# Allegro board FMDEMOD-Long.brd (continued)
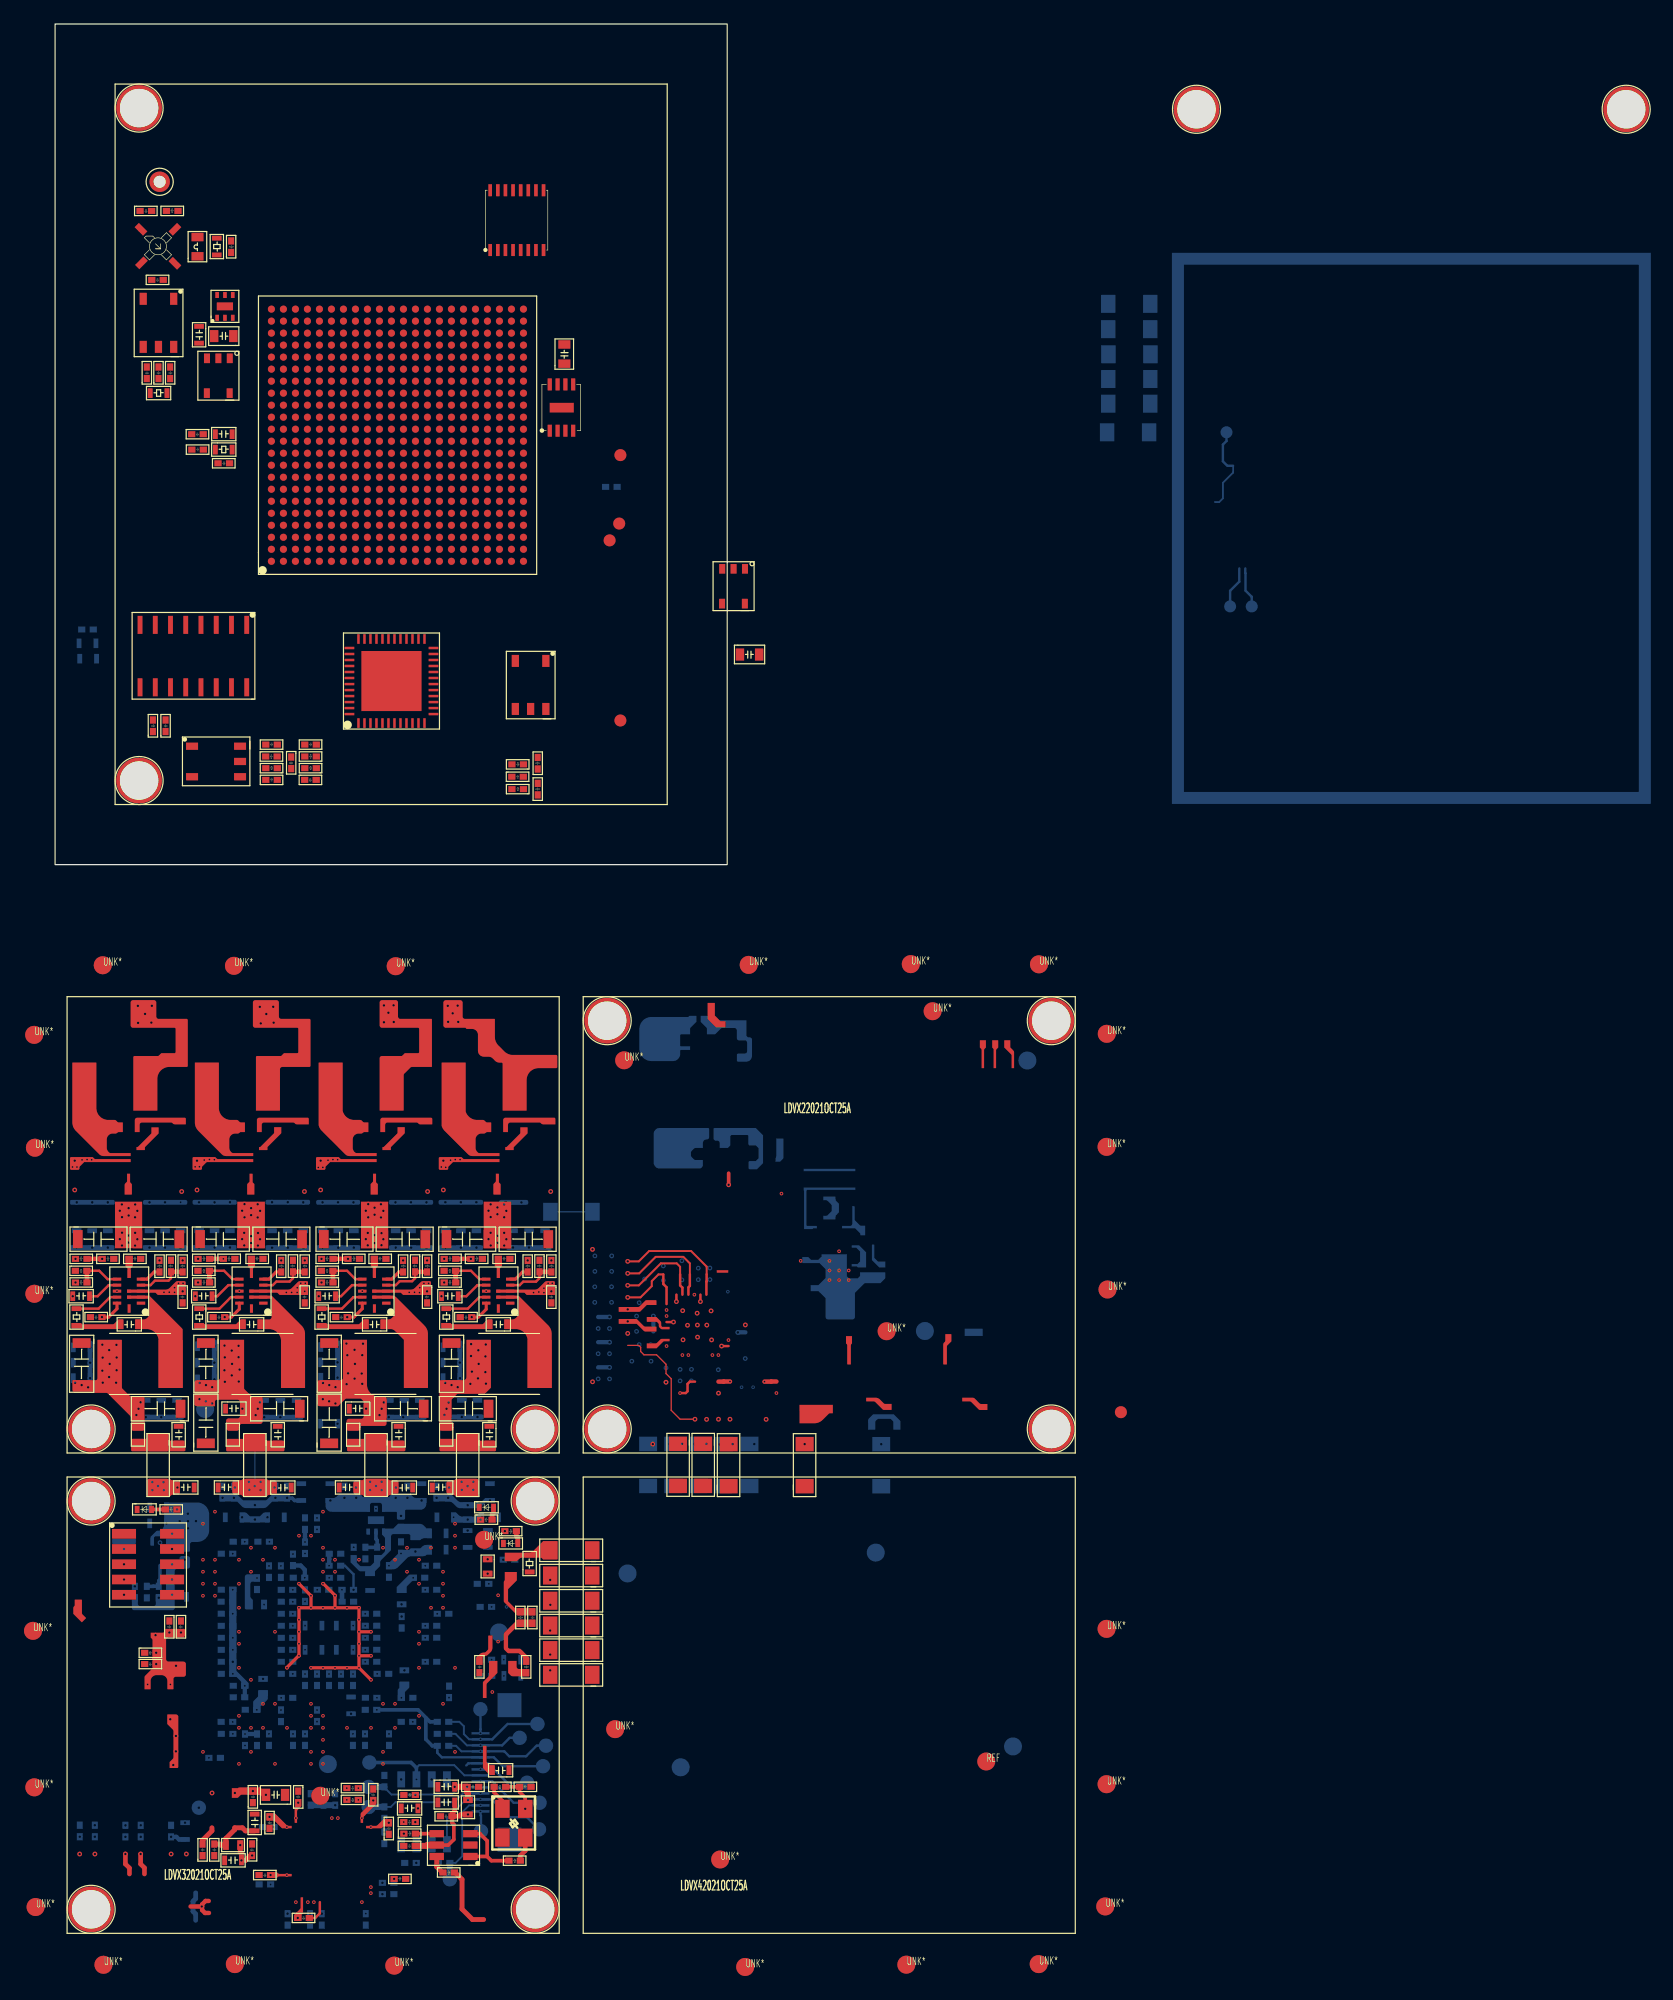
[diagram p0: board, top side]
## Nets (continued)
N7578935: A1.3(\OUT\) C149.2 L19.1
N7579108: L19.2 R148.1
N7579398: C149.1 T2.1
N7579484: C172.2 T2.4
N7579488: C171.2 T2.3
N7579492: C173.2 T2.5
N7579615: C173.1 R162.2 U30.4
N7579629: C171.1 R162.1 U30.5
N7580116: C175.1 R161.1 U30.2 U30.8
N7580344: R367.2 U30.9
N7580738: C605.2 U30.10
N7580852: C604.1 R364.1 U30.15(\VPS2\)
N7581076: C216.2 R365.1 U30.13
N7581083: C215.2 R366.1 U30.12
N7581207: C216.1 T4.1
N7581229: C215.1 T4.2
N7581273: C219.2 T4.5
N7581277: C243.2 T4.3
N7581373: C222.2 C243.1 C244.1 R195.1 R196.2
N7581387: C219.1 C220.2 C222.1 R193.2 R194.2
N7586253: R166.1 Y4.1
N7586496: R185.2 Y4.3
N7586806: R185.1 U32.1 U32.3
N7587007: R177.1 U32.4
N7587454: R188.1 U32.6
N7587591: R188.2 T3.1
N7587990: C221.2 R191.2 R198.1 T3.4
N7588005: R197.1 R198.2 T3.5
N7588017: R191.1 R192.1 T3.3
N7598294: C164.2 U23.4
N7921484: D12.2 R133.2
N8196940: R58.2 R59.1 U11.4
N8196944: R49.1 R50.2 U11.9
N8196950: C84.2 R57.2 U11.11
N8196956: R57.1 U11.5
N8196998: C69.2 U11.6
N8197004: R86.1 U11.10
N8197008: C88.1 L7.1 U11.2 U11.13
N8197018: C88.2 R86.2
N8197022: C75.2 U11.8
N8197032: R69.2 R75.1 U11.7
N8197074: R87.1 U12.10
N8197078: C89.2 R87.2
N8197098: C89.1 L8.1 U12.2 U12.13
N8197146: R61.2 R62.1 U12.4
N8197148: R51.1 R52.2 U12.9
N8197154: C76.2 U12.8
N8197166: R70.2 R76.1 U12.7
N8197176: C85.2 R60.2 U12.11
N8197182: C70.2 U12.6
N8197194: R60.1 U12.5
N8197218: R88.1 U13.10
N8197222: C90.2 R88.2
N8197242: C90.1 L9.1 U13.2 U13.13
N8197290: R64.2 R65.1 U13.4
N8197292: R53.1 R54.2 U13.9
N8197298: C77.2 U13.8
N8197310: R71.2 R77.1 U13.7
N8197320: C86.2 R63.2 U13.11
N8197326: C71.2 U13.6
N8197338: R63.1 U13.5
N8197362: R89.1 U14.10
N8197366: C91.2 R89.2
N8197386: C91.1 L10.1 U14.2 U14.13
N8197434: R67.2 R68.1 U14.4
N8197436: R55.1 R56.2 U14.9
N8197442: C78.2 U14.8
N8197454: R72.2 R78.1 U14.7
N8197464: C87.2 R66.2 U14.11
N8197470: C72.2 U14.6
N8197482: R66.1 U14.5
N8200614: C126.2 L13.2 R129.1
N8200858: C127.2 L14.2 R130.1
N8201027: C128.2 L15.2 R131.1
N8201165: C129.2 L16.2 R132.1
N8449814: R317.2 U38.5(\PG\)
N8449940: R315.1 R316.2 U38.2
N8561901: R306.2 U36.5(\PG\)
N8561999: R304.1 R305.2 U36.2

Pads without a net: U18 8; U20 A3 A4 A5 A6 A7 A8 A9 A10 A11 A12 A13 A14 A19 A20 AA7 AA8 AA9 AA10 AA11 AA12 AA13 AA18 AA19 AA20 AA21 AB10 AB11 AB12 AB13 B1 B2 B3 B4 B5 B6 B7 B8 B9 B10 B11 B12 B13 B14 B19 B20 B21 C1 C2 C3 C4 C6 C7 C8 C10 C13 C15 C17 C19 C20 C21 C22 D2 D6 D7 D10 D13 D15 D17 D19 D20 D21 D22 E1 E3 E5 E6 E7 E9 E10 E11 E12 E13 E14 E15 E16 E21 E22 F1 F2 F7 F8 F9 F10 F11 F13 F14 F15 F16 F17 F19 F20 F21 F22 G3 G4 G5 G7 G8 G9 G10 G11 G13 G14 G15 G16 G17 G18 G21 G22 H1 H2 H5 H6 H7 H8 H10 H11 H14 H15 H16 H17 H18 H19 H20 H21 H22 J1 J2 J3 J4 J5 J6 J7 J8 J17 J18 J21 J22 K7 K8 K17 K18 K19 K21 K22 L6 L7 L8 L21 M3 M4 M5 M6 M7 M8 M16 M19 M20 M21 M22 N5 N6 N7 N8 N16 N17 N18 N19 N20 N21 N22 P3 P4 P5 P6 P7 P15 P16 P17 P20 P21 P22 R7 R14 R15 R16 R17 R18 R19 R20 R21 R22 T3 T4 T5 T7 T8 T9 T10 T11 T12 T13 T14 T15 T16 T17 T18 T21 T22 U7 U8 U9 U10 U11 U12 U13 U14 U15 U16 U17 U19 U20 U21 U22 V3 V6 V7 V8 V9 V10 V11 V12 V13 V14 V15 V16 V21 V22 W6 W7 W8 W10 W13 W14 W15 W17 W19 W20 W21 W22 Y6 Y7 Y8 Y10 Y13 Y17 Y21 Y22; U24 5 8 11 12; U33 43

## Via types
v1: diameter 0.4, hole 0.2, PWR-L6 to BOTTOM, 144 vias
v2: diameter 0.4, hole 0.2, TOP to PWR-L6, 251 vias
v3: diameter 0.3, hole 0.15, TOP to PWR-L6, 132 vias
v4: diameter 0.3, hole 0.15, PWR-L6 to BOTTOM, 82 vias
v5: diameter 0.3, hole 0.15, SIGNAL-L3 to BOTTOM, 9 vias
v6: diameter 0.4, hole 0.2, SIGNAL-L8 to BOTTOM, 6 vias
v7: diameter 0.4, hole 0.2, TOP to SIGNAL-L4, 17 vias
v8: diameter 0.3, hole 0.15, TOP to SIGNAL-L3, 27 vias
v9: diameter 0.4, hole 0.2, TOP to SIGNAL-L3, 27 vias
v10: diameter 0.3, hole 0.15, TOP to SIGNAL-L8, 16 vias
v11: diameter 0.4, hole 0.2, SIGNAL-L4 to BOTTOM, 15 vias
v12: diameter 0.4, hole 0.2, SIGNAL-L3 to BOTTOM, 5 vias
v13: diameter 0.3, hole 0.15, TOP to SIGNAL-L4, 24 vias
v14: diameter 0.3, hole 0.15, SIGNAL-L8 to BOTTOM, 9 vias
v15: diameter 0.4, hole 0.2, TOP to SIGNAL-L7, 2 vias
v16: diameter 0.3, hole 0.15, TOP to SIGNAL-L7, 6 vias
v17: diameter 0.4, hole 0.2, TOP to SIGNAL-L8, 3 vias
v18: diameter 0.4, hole 0.2, TOP to GND-L9, 21 vias
v19: diameter 0.4, hole 0.2, TOP to BOTTOM, 2 vias
v20: diameter 0.4, hole 0.2, GND-L2 to BOTTOM, 1 via
v21: diameter 0.3, hole 0.15, SIGNAL-L4 to BOTTOM, 6 vias
v22: diameter 0.4, hole 0.2, GND-L9 to BOTTOM, 19 vias
v23: diameter 0.4, hole 0.2, SIGNAL-L7 to BOTTOM, 2 vias

## Routing (per net, layer and track width the routed paths; a pad name or vN(x,y) marks a point on that pad's centre or on a via; arc(x,y) is an arc through that point)
1V2_FPGA:
  vias: v1(31.79,-52.73) v1(32.75,-52.73) v1(34.38,-53.35) v1(36.23,-52.95) v2(32.83,-51.88) v2(33.87,-51.4) v2(33.89,-52.07) v2(34.37,-51.75) v2(34.85,-51.4) v2(34.84,-52.07)
1V2_FPGA_PWR:
  vias: v1(32.58,-46) v1(33.73,-40.19) v1(33.73,-41.47) v1(33.73,-42.77) v1(33.89,-46) v1(35.19,-46) v2(32.19,-35.94) v2(32.42,-34.8) v2(32.44,-45.83) v2(32.51,-43.17) v2(32.61,-45.31) v2(32.79,-44.79) v2(33.03,-43.34) v2(33.54,-43.52) v2(34.6,-43.24) v2(34.66,-39.93) v2(34.65,-40.92) v2(34.73,-42.22) v2(35.23,-42.79) v2(35.26,-40.45) v2(35.29,-41.58) v2(35.88,-39.97) v2(35.86,-40.96) v2(35.85,-42.26) v2(35.9,-43.23)
2V5_FPGA_IN:
  vias: v1(22.93,-52.95) v1(24.11,-52.73) v1(25.09,-52.73) v1(28.38,-52.73) v1(28.82,-54.24) v1(29.36,-52.73) v1(30.53,-52.95) v2(25.07,-51.88) v2(26.25,-51.4) v2(26.25,-52.09) v2(26.73,-51.75) v2(27.21,-51.39) v2(27.22,-52.09) v2(28.4,-51.88)
2V5_FPGA_PWR:
  vias: v1(23.54,-40.17) v1(23.54,-41.45) v1(23.54,-42.73) v1(23.53,-46.56) v1(27.8,-46.02) v1(29,-46.01) v1(30.38,-46.02) v2(21.97,-35.94) v2(22.2,-34.8) v2(22.32,-43.17) v2(22.31,-44.52) v2(22.84,-43.34) v2(22.83,-44.7) v2(23.36,-43.52) v2(23.36,-44.88) v2(24.27,-39.89) v2(24.35,-40.86) v2(24.29,-43.27) v2(24.41,-42.37) v2(24.95,-40.41) v2(24.98,-41.58) v2(24.95,-42.81) v2(25.55,-42.38) v2(25.59,-40.85) v2(25.59,-43.24) v2(25.65,-39.89) v2(25.91,-45.31) v2(27.03,-45.84) v2(27.21,-45.31) v2(27.39,-44.79)
3V3_FPGA: length 1.3
  BOTTOM w0.3: v1(19.33,-52.73) 19.36,-52.76 19.75,-52.76 19.95,-52.95 C455.2
  vias: v1(13.95,-52.73) v1(14.9,-52.73) v1(16.65,-53.34) v1(18.36,-52.73) v2(14.98,-51.88) v2(16.15,-51.41) v2(16.18,-52.07) v2(16.64,-51.75) v2(17.13,-51.41) v2(17.12,-52.09) v2(18.27,-51.88)
3V3_FPGA_PWR:
  vias: v1(13.27,-40.11) v1(13.27,-41.48) v1(13.27,-42.87) v1(17.41,-46.02) v1(18.77,-46.02) v1(20.12,-46.02) v2(11.68,-35.94) v2(11.91,-34.8) v2(12.04,-43.17) v2(12.03,-44.51) v2(12.57,-43.34) v2(12.56,-44.7) v2(13.09,-43.52) v2(13.08,-44.88) v2(14.11,-40.05) v2(14.14,-41.04) v2(14.11,-42.11) v2(14.15,-43.07) v2(14.71,-40.47) v2(14.74,-41.58) v2(14.72,-42.54) v2(15.29,-40.07) v2(15.29,-41.02) v2(15.3,-43.05) v2(15.37,-42.05) v2(15.6,-45.31) v2(16.71,-45.85) v2(16.89,-45.31) v2(17.07,-44.78)
3V3_IF:
  vias: v1(5.86,-80) v1(7.13,-80) v1(10.83,-79.78) v2(9.6,-71.17) v2(9.85,-74.98) v2(10.06,-72.56) v2(10.06,-73.85)
5V_FPGA: length 33.8
  SIGNAL-L4 w0.36: v2(36.04,-57.85) 34.12,-57.85 31.44,-55.16 14.68,-55.16 9.52,-60.32 v2(9.52,-63.95)
  PWR-L6 w0.26: 6.85,-61.42 6.65,-61.22 v1(6.65,-61.06)
  vias: v1(8.64,-61.05) v1(9.39,-58.36) v1(9.54,-59.68) v1(9.54,-60.98) v1(10.8,-57.88) v1(36.06,-56.85) v1(37.34,-57.89) v2(8.37,-64.17) v2(8.42,-65.64) v2(8.42,-66.58) v2(10.07,-66.72) v2(10.49,-63.95) v2(13.08,-77.31) v2(14.98,-77.31) v2(16.48,-77.15) v2(17.56,-77.47) v3(7.71,-68.27) v3(9.61,-68.27)
5V_FPGA_IN:
  vias: v1(9.28,-53.52) v1(9.28,-54.86) v1(10.38,-54.68) v1(11.06,-54.06) v1(11.07,-54.68) v1(11.08,-55.28) v1(11.74,-54.67) v2(8.09,-51.42) v2(8.1,-52.09) v2(8.58,-51.75) v2(9.03,-51.43) v2(9.07,-52.09) v2(10.19,-51.88)
5V_FPGA_PWR:
  vias: v1(2.92,-40.2) v1(2.92,-41.48) v1(2.92,-42.77) v1(7.55,-46.02) v1(8.85,-46.02) v1(10.16,-46.02) v2(1.47,-35.94) v2(1.7,-34.8) v2(1.67,-43.15) v2(2.21,-43.34) v2(2.75,-43.53) v2(3.94,-39.98) v2(3.94,-42.15) v2(3.96,-41.06) v2(3.97,-43.14) v2(4.51,-40.43) v2(4.55,-41.58) v2(4.5,-42.67) v2(5.11,-39.99) v2(5.13,-41.05) v2(5.13,-42.11) v2(5.08,-43.15) v2(6.77,-45.84) v2(6.95,-45.31) v2(7.13,-44.78)
GND: length 40.2
  TOP w0.2: C242.2 21.67,-87.72 22.06,-87.33 22.06,-86.4
  GND-L2 w0.1: 71.37,-32.61 69.71,-32.61 ; 69.71,-32.61 69.32,-33 ; 69.71,-32.61 66.51,-32.61 66.12,-33 ; 61.32,-26.6 60.92,-26.2 60.12,-26.2 59.72,-26.6 ; 61.32,-25 60.95,-24.63 59.35,-24.63 ; 59.31,-22.99 55.56,-22.99 55.01,-23.54 ; 59.31,-22.99 59.72,-23.4 ; 59.31,-22.99 60.91,-22.99 ; 59.35,-24.63 59.72,-25 ; 59.35,-24.63 56.49,-24.63 56.37,-24.5 55.99,-24.5 ; 60.91,-22.99 62.51,-22.99 62.92,-23.4 ; 60.91,-22.99 61.32,-23.4 ; 62.12,-29.8 61.74,-29.42 60.1,-29.42 59.72,-29.8 ; 64.52,-25 64.92,-24.61 65.72,-24.61 66.12,-25 ; 67.72,-29.8 68.13,-29.39 68.91,-29.39 69.32,-29.8
  BOTTOM w0.1: R289.1 R289.2 ; R231.2 R231.1
  BOTTOM w0.2: 34.26,-75.02 34.43,-74.84 J9.6
GNDA: length 109.1
  TOP w0.1: 47.71,-40.04 48.64,-40.04 48.79,-40.19 48.79,-40.55 49.06,-40.82 50.11,-40.82 50.9,-41.61 50.9,-42.39 51.33,-42.82 51.33,-45.45 52.07,-46.19 v9(53.31,-46.19)
  TOP w0.16: v7(47.71,-34.04) 48.67,-34.04 50.04,-32.67 52.34,-32.67 52.89,-33.21 52.89,-34.13 ; v7(47.71,-33.04) 48.64,-33.04 49.49,-32.18 52.99,-32.18 54.29,-33.48 54.29,-34.13 ; 52.08,-34.13 52.08,-33.49 51.79,-33.21 50.47,-33.21 48.64,-35.04 v7(47.71,-35.04) ; 50.68,-34.13 50.27,-34.13 49.71,-34.68 49.71,-35.1 48.77,-36.04 v7(47.71,-36.04)
  TOP w0.2: 50.68,-34.13 50.68,-34.93 50.95,-35.2 50.95,-36.59 ; 54.29,-34.13 54.29,-34.7 54.27,-34.73 54.27,-35.81 ; 56.11,-40.09 v18(55.53,-40.09) ; 50.95,-38.09 v18(51.52,-38.09) ; 53.77,-35.81 v18(53.77,-36.39) ; 53.31,-43.06 52.89,-43.06 52.69,-43.25 52.69,-43.86 52.55,-44.01 v13(52.07,-44.01) ; 52.89,-34.13 52.89,-35.09 52.77,-35.21 52.77,-35.81 ; 52.27,-35.81 52.27,-35.23 52.08,-35.04 52.08,-34.13 ; 51.77,-35.81 v18(51.77,-36.39)
  TOP w0.36: v13(59.11,-43.06) 59.66,-43.06 59.67,-43.05 60.1,-43.05 ; v13(56.23,-43.05) 55.71,-43.05 55.7,-43.06 55.27,-43.06
  SIGNAL-L3 w0.2: v9(53.31,-46.19) 50.44,-46.19 49.8,-46.83 v9(49.8,-48.26)
  SIGNAL-L4 w0.1: v13(52.77,-40.84) 52.77,-41.26 53.02,-41.52 v11(53.02,-42.03) ; v13(52.07,-44.01) 53.94,-44.01 54.4,-43.54 56.09,-43.54 56.55,-44.01 v13(60.1,-44.01) ; v11(49.85,-37.6) 50.62,-37.6 50.62,-37.59 v13(50.95,-37.59) ; v21(57.2,-43.52) 56.72,-43.05 v13(56.23,-43.05) ; v13(59.11,-43.06) 58.62,-43.06 v21(58.16,-43.52) ; v11(52.07,-42.03) 52.07,-41.46 52.27,-41.27 v13(52.27,-40.84) ; v13(54.77,-40.84) 54.77,-41.7 53.95,-42.51 46.83,-42.51 v11(46.19,-41.87)
  SIGNAL-L4 w0.3: v11(46.19,-39.77) 46.82,-39.14 46.82,-38.38 47.16,-38.04 v7(47.71,-38.04) ; v11(46.37,-35.16) 46.93,-35.16 47.05,-35.04 v7(47.71,-35.04) ; v7(47.71,-37.04) 46.83,-37.04 v11(46.19,-37.67) ; v11(46.38,-32.59) 46.85,-32.59 47.3,-33.04 v7(47.71,-33.04) ; v11(46.37,-36.45) 46.78,-36.04 v7(47.71,-36.04) ; v7(47.71,-34.04) 47.12,-34.04 46.95,-33.87 v11(46.38,-33.87)
  PWR-L6 w0.26: 53.54,-41.91 52.93,-41.29 51.49,-41.29 51.23,-41.55 51.23,-41.58 v1(50.9,-41.91) 50.2,-41.91 v1(49.65,-41.36) ; v16(56.11,-39.59) 56.11,-40.81 56.02,-40.89 55.97,-40.84 v16(55.27,-40.84) 54.56,-41.55
  SIGNAL-L7 w0.26: v1(50.9,-41.91) 50.9,-41.24 51.3,-40.84 v16(55.27,-40.84) 55.85,-40.84 56.39,-40.3 56.39,-39.88 v16(56.11,-39.59)
  BOTTOM w0.36: v11(49.85,-37.6) 49.85,-38.87 ; 57.51,-38.95 v22(56.88,-38.95) ; 45.25,-37.67 v11(46.19,-37.67) ; 45.25,-39.77 v11(46.19,-39.77) ; 45.25,-41.87 v11(46.19,-41.87)
  vias: v1(46.19,-42.83) v1(49.13,-34.51) v1(49.63,-36.48) v1(49.63,-39.98) v1(50.68,-33.42) v1(50.68,-34.62) v1(52.22,-34.59) v1(53.59,-34.57) v1(54.56,-34.56) v3(50.95,-37.09) v3(50.95,-40.09) v3(53.27,-35.81) v18(44.77,-32.04) v18(44.78,-43.07) v18(47.71,-39.04) v18(52.29,-37.15) v18(52.32,-39.57) v18(52.69,-38.36) v18(53.49,-37.36) v18(53.52,-38.34) v18(53.53,-39.35) v18(54.3,-38.35) v18(54.28,-46.2) v18(54.66,-37.17) v18(54.7,-39.58) v18(55.27,-44.02) v18(55.27,-46.19) v18(56.23,-46.19) v18(59.24,-46.2) v19(50.9,-43.11) v20(45.25,-42.83) v22(44.98,-32.59) v22(44.98,-33.87) v22(44.97,-35.16) v22(44.97,-36.45) v22(45.25,-38.63) v22(45.25,-40.73) v22(46.19,-38.63) v22(46.19,-40.73) v22(48.05,-41.36) v22(48.45,-37.6) v22(48.45,-38.87) v22(48.67,-36.48) v22(48.67,-39.98) v22(52.07,-43) v22(52.22,-32.99) v22(53.02,-43) v22(53.59,-33.61) v22(54.56,-33.6)
VBAT_IN:
  vias: v1(1.8,-28.13) v1(1.8,-31.89) v1(3.09,-28.13) v1(3.09,-31.89) v1(4.39,-28.13) v1(4.39,-31.89) v1(7.87,-28.13) v1(7.87,-31.89) v1(9.16,-28.13) v1(9.16,-31.89) v1(10.46,-31.89) v1(11.99,-28.13) v1(11.99,-31.89) v1(13.29,-28.13) v1(13.29,-31.89) v1(14.57,-28.12) v1(14.57,-31.89) v1(18.08,-28.12) v1(18.08,-31.9) v1(19.39,-28.12) v1(19.39,-31.9) v1(20.68,-28.13) v1(20.68,-31.9) v1(22.29,-28.13) v1(22.3,-31.9) v1(23.57,-28.13) v1(23.59,-31.9) v1(24.86,-28.13) v1(24.89,-31.9) v1(28.36,-28.13) v1(28.38,-31.9) v1(29.64,-28.13) v1(29.66,-31.9) v1(30.94,-28.13) v1(30.95,-31.9) v1(32.52,-28.12) v1(32.53,-31.9) v1(33.81,-28.12) v1(33.81,-31.9) v1(35.1,-28.12) v1(35.1,-31.9) v1(37.55,-28.13) v1(38.15,-31.89) v1(38.85,-28.13) v1(39.49,-31.89) v1(40.82,-31.89) v2(1.63,-24.66) v2(1.63,-27.1) v2(1.7,-32.83) v2(5.39,-28.83) v2(5.39,-31.19) v2(5.56,-28.3) v2(5.58,-29.36) v2(5.58,-30.65) v2(5.57,-31.72) v2(6.12,-28.61) v2(6.13,-29.22) v2(6.12,-30.89) v2(6.12,-31.48) v2(6.67,-28.3) v2(6.66,-29.37) v2(6.67,-30.67) v2(6.66,-31.73) v2(6.85,-28.83) v2(6.85,-31.2) v2(10.55,-27.22) v2(10.63,-32.97) v2(10.63,-35.54) v2(11.82,-24.66) v2(11.82,-27.1) v2(11.91,-32.83) v2(15.58,-28.83) v2(15.58,-31.19) v2(15.78,-28.27) v2(15.78,-29.37) v2(15.76,-30.66) v2(15.76,-31.71) v2(16.33,-28.61) v2(16.33,-29.19) v2(16.34,-30.94) v2(16.33,-31.52) v2(16.88,-28.28) v2(16.88,-29.39) v2(16.91,-30.68) v2(16.9,-31.73) v2(17.08,-28.83) v2(17.08,-31.2) v2(20.77,-27.22) v2(20.8,-32.97) v2(22.12,-24.66) v2(22.12,-27.1) v2(22.2,-32.83) v2(25.89,-28.83) v2(25.89,-31.19) v2(26.09,-28.27) v2(26.09,-29.38) v2(26.05,-30.67) v2(26.05,-31.71) v2(26.62,-28.57) v2(26.62,-29.16) v2(26.62,-30.85) v2(26.62,-31.52) v2(27.15,-28.28) v2(27.15,-29.39) v2(27.2,-30.69) v2(27.2,-31.69) v2(27.35,-28.83) v2(27.35,-31.2) v2(31.04,-27.22) v2(30.99,-32.97) v2(30.99,-35.54) v2(32.35,-24.66) v2(32.35,-27.1) v2(32.42,-32.83) v2(36.11,-28.83) v2(36.11,-31.19) v2(36.29,-28.29) v2(36.29,-29.35) v2(36.29,-30.66) v2(36.29,-31.72) v2(36.85,-28.55) v2(36.85,-29.12) v2(36.85,-30.92) v2(36.85,-31.5) v2(37.41,-28.3) v2(37.41,-29.37) v2(37.41,-30.67) v2(37.42,-31.72) v2(37.6,-28.83) v2(37.6,-31.2) v2(41.29,-27.22) v2(41.34,-32.97) v2(41.34,-35.54) v3(1.45,-25.19) v3(1.82,-25.19) v3(2.25,-24.59) v3(2.67,-24.57) v3(3.05,-24.58) v3(9.07,-35.62) v3(9.51,-35.61) v3(9.95,-35.23) v3(9.95,-35.62) v3(10.28,-34.87) v3(10.66,-34.87) v3(11.67,-25.17) v3(12.03,-25.16) v3(12.42,-24.6) v3(12.86,-24.56) v3(13.27,-24.58) v3(19.27,-35.63) v3(19.71,-35.63) v3(20.18,-35.24) v3(20.17,-35.63) v3(20.47,-34.86) v3(20.85,-34.87) v3(20.8,-35.54) v3(21.93,-25.22) v3(22.31,-25.22) v3(22.74,-24.61) v3(23.15,-24.57) v3(23.54,-24.58) v3(29.5,-35.62) v3(29.95,-35.62) v3(30.39,-35.24) v3(30.36,-35.64) v3(30.73,-34.87) v3(31.12,-34.87) v3(32.18,-25.18) v3(32.54,-25.21) v3(32.95,-24.61) v3(33.34,-24.56) v3(33.74,-24.57) v3(39.86,-35.64) v3(40.3,-35.59) v3(40.73,-35.27) v3(40.73,-35.65) v3(41.08,-34.86) v3(41.42,-34.86) v4(10.46,-28.13)
VCCA_2V5: length 24.3
  PWR-L6 w0.26: v3(27.32,-69.89) 26.82,-69.38 v4(26.81,-69.38)
  PWR-L6 w0.38: v4(28.82,-57.37) 28.82,-57.39 v3(28.32,-57.89) 27.82,-58.38 v4(27.82,-58.38) ; v3(27.32,-69.89) 26.82,-70.39 v4(26.8,-70.39) ; v4(18.82,-70.4) 18.32,-69.9 v3(18.32,-69.89) 18.34,-69.89 v4(18.84,-69.39) ; v4(18.81,-58.4) v4(17.82,-58.4) 17.82,-58.39 v3(17.32,-57.89)
  BOTTOM w0.2: R356.1 31.84,-73.81 31.84,-73.81 31.84,-73.96 32.23,-74.34 J9.5 36.55,-74.34 37.29,-75.08 TP18.1
  BOTTOM w0.3: 30.89,-71.03 30.89,-72.84 31.43,-73.39 R356.1 ; 30.89,-71.03 31.24,-71.39 R352.1 ; 30.89,-71.03 30.24,-70.39 v4(26.8,-70.39)
  vias: v1(24.66,-70.72) v1(30.02,-57.2)
VCCINT_1V2: length 47.1
  TOP w0.26: v3(21.32,-61.89) v3(22.32,-61.89) v3(23.32,-61.89) ; v3(21.32,-61.89) v3(21.32,-60.89) v3(20.32,-59.89) ; v3(21.32,-61.89) v3(20.32,-61.89) v3(20.32,-62.89) v3(20.32,-63.89) v3(20.32,-64.89) v3(20.32,-65.89) 20.29,-65.89 19.32,-66.85 v3(19.32,-66.89) ; v3(22.32,-59.89) 22.35,-59.89 23.32,-60.85 v3(23.32,-60.89) v3(23.32,-61.89) ; v3(25.32,-65.89) v3(25.32,-64.89) v3(25.32,-63.89) ; v3(25.32,-65.89) v3(25.32,-66.89) ; v3(25.32,-65.89) v3(26.32,-65.89) ; v3(21.32,-66.89) v3(22.32,-66.89) v3(23.32,-66.89) v3(24.32,-66.89) v3(25.32,-66.89) ; v3(25.32,-66.89) v3(26.32,-67.89) ; v3(23.32,-61.89) v3(24.32,-61.89) v3(25.32,-61.89) v3(25.32,-62.89) v3(25.32,-63.89) ; v3(25.32,-63.89) v3(26.32,-63.89)
  PWR-L6 w0.26: v4(22.82,-67.4) 22.82,-67.39 v3(23.32,-66.89) ; v4(20.82,-61.36) 20.82,-61.39 v3(21.32,-61.89) ; v3(22.32,-59.89) 22.82,-59.39 v4(22.84,-59.39) ; 19.82,-62.39 v3(20.32,-62.89) ; 19.82,-62.39 v4(19.8,-62.39) ; 19.82,-62.39 v3(20.32,-61.89) 19.82,-61.39 v4(19.8,-61.39) ; v3(20.32,-62.89) 20.81,-63.37 v4(20.83,-63.37) ; v3(20.32,-62.89) 19.82,-63.39 v4(19.8,-63.39) ; v4(24.83,-65.39) 24.83,-65.37 v3(25.32,-64.89) ; v3(26.32,-65.89) 26.32,-65.91 v4(25.84,-66.38) ; v4(24.83,-63.37) 24.83,-63.4 v3(25.32,-63.89) ; v4(24.82,-67.4) 24.82,-67.38 v3(25.32,-66.89) ; v4(21.82,-67.4) 21.82,-67.38 v3(22.32,-66.89) ; v4(20.83,-65.39) 20.82,-65.39 v3(20.32,-64.89) 19.82,-65.39 v4(19.8,-65.39) ; v3(25.32,-62.89) 25.82,-63.39 v4(25.84,-63.39) ; v4(19.8,-60.39) 19.81,-60.39 v3(20.32,-59.89) ; v4(23.82,-67.4) 23.82,-67.39 v3(24.32,-66.89) ; v3(26.32,-67.89) 26.82,-67.39 v4(26.84,-67.39) ; v4(25.84,-64.39) 26.32,-63.91 v3(26.32,-63.89) ; v4(21.84,-60.39) 21.82,-60.39 v3(21.32,-60.89) ; v4(19.8,-67.39) 19.8,-67.37 v3(19.32,-66.89) ; v4(25.84,-65.39) 25.82,-65.39 v3(25.32,-65.89) ; v3(20.32,-63.89) 19.82,-64.39 v4(19.8,-64.39) ; v4(25.84,-62.39) 25.82,-62.39 v3(25.32,-61.89) ; v4(19.8,-66.38) 19.82,-66.38 v3(20.32,-65.89) ; v4(20.82,-67.4) 20.82,-67.38 v3(21.32,-66.89)
  vias: v1(17.33,-67.81) v1(28.87,-61.6) v1(28.88,-62.61) v1(29.1,-67.1) v1(34.38,-54.55) v1(34.37,-55.46) v3(18.32,-63.89) v4(17.41,-61.62) v4(33.21,-54.35) v4(35.54,-54.35)
VCCIO_3V3: length 62
  TOP w0.5: v2(34.4,-77.9) 34.4,-77.31 34.33,-77.24 v2(34.33,-76.8) v2(33.29,-76.8)
  SIGNAL-L4 w0.26: 26.32,-57.89 24.86,-59.34 v11(24.86,-60.39) ; 26.32,-57.89 v13(25.32,-57.89) ; 26.32,-57.89 26.32,-59.6 28.16,-61.45 ; 26.32,-57.89 v13(27.32,-56.89) v13(29.32,-56.89) 29.77,-56.44 30.87,-56.44 v13(31.32,-56.89) ; 28.16,-61.45 29.73,-59.89 v3(30.32,-59.89) ; 28.16,-61.45 28.6,-61.89 v3(31.32,-61.89)
  PWR-L6 w0.26: v3(33.32,-54.89) v13(31.32,-56.89) ; v2(9.74,-55.72) 10.88,-55.72 10.89,-55.74 11.47,-55.74 v3(12.32,-54.89) 15.04,-54.89 v1(15.58,-54.35) ; v3(30.32,-57.89) v3(30.32,-59.89)
  PWR-L6 w0.3: v4(14.8,-57.39) 14.82,-57.39 v3(15.32,-57.89) ; v4(17.86,-56.39) 18.32,-56.85 v3(18.32,-56.89) ; 29.82,-71.38 v3(30.32,-71.89) ; 29.82,-71.38 29.82,-71.38 v3(30.32,-70.89) ; 29.82,-71.38 v4(29.8,-71.38) ; v4(25.82,-72.39) 25.82,-72.38 v3(26.32,-71.89) ; v4(24.82,-72.39) 24.82,-72.38 v3(24.32,-71.89) ; v4(15.8,-68.38) 15.82,-68.38 v3(16.32,-67.89) ; v3(31.32,-61.89) 31.82,-62.39 v4(31.84,-62.39) ; v4(19.82,-72.39) 19.82,-72.39 v3(19.32,-71.89) ; v3(30.32,-66.89) 30.82,-66.39 v4(30.84,-66.39) ; v4(14.81,-65.39) 14.82,-65.39 v3(15.32,-64.89) ; v4(17.82,-72.39) 17.82,-72.38 v3(17.32,-71.89) ; v4(32.82,-69.37) 32.82,-69.38 v3(32.32,-69.89) ; v3(15.32,-66.89) 14.82,-67.39 v4(14.81,-67.39) ; v3(30.32,-57.89) 30.82,-58.39 v4(30.84,-58.39) ; v4(14.81,-64.39) 14.82,-64.39 v3(15.32,-63.89) ; v4(21.82,-71.37) 21.82,-71.38 v3(21.32,-71.89) 20.82,-72.39 v4(20.82,-72.39) ; v3(33.32,-73.89) 32.82,-74.39 32.8,-74.39 ; v3(15.32,-70.89) 14.82,-71.39 v4(14.8,-71.39) ; v4(14.8,-62.39) 14.82,-62.39 v3(15.32,-61.89) ; v4(30.84,-64.39) 30.82,-64.39 v3(30.32,-64.89) ; v4(27.82,-72.39) 27.82,-72.39 v3(28.32,-71.89) ; v3(30.32,-63.89) 30.82,-63.39 v4(30.84,-63.39) ; v3(15.32,-71.89) 14.82,-72.39 v4(14.81,-72.39) ; v4(15.8,-56.39) 15.82,-56.39 v3(16.32,-56.89) ; v4(12.81,-74.38) 12.81,-74.38 v3(12.32,-73.89) ; v4(14.8,-60.39) 15.3,-59.89 v3(15.32,-59.89)
  PWR-L6 w0.36: v3(30.32,-59.89) 30.82,-60.39 v4(30.84,-60.39)
  BOTTOM w0.2: TP25.1 35.48,-79.21 35.45,-79.17 v4(35.45,-78.84) ; R311.2 24.15,-58.38 24.86,-59.1 v11(24.86,-60.39)
  BOTTOM w0.36: C562.2 v4(15.8,-68.38)
  BOTTOM w0.5: C599.2 C598.2 v1(23.34,-78.33)
  vias: v1(14.81,-66.39) v1(16.65,-54.54) v1(17.69,-54.35) v1(18.24,-80.15) v1(27.44,-79.43) v1(27.43,-80.56) v1(30.11,-81.58) v1(30.09,-83.14) v1(31.38,-76.18) v1(31.93,-83.14) v1(32.65,-76.18) v2(17.86,-79.3) v2(17.95,-84.14) v2(20.26,-78.12) v2(26.51,-77.94) v2(27.8,-79.79) v2(30.02,-77.47) v2(30.24,-78.6) v3(19.31,-80.15) v3(19.31,-84.15) v3(20.06,-79.4) v3(20.32,-55.89) v3(22.32,-56.89) v3(25.56,-79.4) v3(26.31,-80.15) v4(17.96,-84.93) v4(19.82,-57.42) v4(20.82,-57.37) v4(21.82,-55.37) v5(15.82,-73.36)
ADC_3V3: length 2.4
  TOP w0.4: v2(15.43,-81.65) 15.43,-82.24 15.53,-82.34 v2(15.53,-82.93) 15.86,-82.93 16.27,-82.52 v2(16.42,-82.52)
  vias: v1(19.37,-87.36) v1(21.24,-87.36) v1(22.22,-87.36) v1(27.27,-84.8) v1(27.27,-85.74) v2(28.25,-84.47) v3(20.06,-86.4) v3(21.06,-86.4) v3(21.56,-86.4) v3(25.56,-86.4) v3(26.31,-85.15) v3(26.31,-85.65) v4(25.88,-87.36)
ASDO: length 28.8
  SIGNAL-L8 w0.1: 29.46,-75.56 34.85,-75.56 35.07,-75.34 v14(35.45,-75.34) ; 29.46,-75.56 21.64,-75.56 19.68,-73.6 17.21,-73.6 16.45,-72.85 15.44,-72.85 15.02,-73.27 15.02,-74.59 v10(15.32,-74.89) ; 29.46,-75.56 v6(28.84,-76.18)
  BOTTOM w0.2: v14(35.45,-75.34) 36.55,-75.34 37.66,-76.46 TP19.1
AUDIO_5V:
  vias: v2(36.04,-59.05) v3(36.43,-68.9) v3(36.91,-60.85) v3(36.91,-64.71) v4(36.13,-59.89) v4(36.37,-61.81) v4(36.37,-66.21) v4(36.38,-67.56) v4(37.39,-66.21) v4(37.4,-67.56) v4(37.62,-61.81)
CLK2FPGA: length 15.1
  SIGNAL-L8 w0.1: v17(29.06,-80.7) 29.06,-79.42 27.24,-77.6 19.42,-77.6 18.01,-76.19 18.01,-75.2 v10(18.32,-74.89)
CLK_3V3: length 16.5
  TOP w0.3: C206.2 33.07,-79.78 33.22,-79.93 33.22,-81.19 32.76,-81.65 U32.5 ; v2(39.17,-78.63) 39.17,-77.7 38.7,-77.23 C193.2 R166.2
  TOP w0.36: C204.2 33.3,-78.11 33.3,-78.8 33.07,-79.03 C206.2 33.64,-79.25 33.79,-79.1 v2(34.4,-79.1)
  TOP w0.5: U32.5 31.02,-81.65 30.96,-81.72 C210.2
  PWR-L6 w0.38: v2(39.17,-78.63) 38.3,-79.5 34.8,-79.5 v2(34.4,-79.1)
CLK_AD+: length 8.3
  SIGNAL-L4 w0.1: v13(25.27,-76.91) 25.27,-77 25.52,-77.25 26.91,-77.25 27.2,-77.54 27.75,-77.54 28.03,-77.26 28.03,-76.62 27.74,-76.33 26.92,-76.33 26.48,-75.89 26.48,-74.65 26.85,-74.28 27.22,-74.28 27.32,-74.18 v13(27.32,-73.89)
CLK_AD-: length 8.3
  SIGNAL-L4 w0.1: v13(25.27,-77.89) 25.27,-77.77 25.57,-77.46 26.82,-77.46 27.11,-77.75 27.84,-77.75 28.24,-77.35 28.24,-76.53 27.83,-76.12 27.01,-76.12 26.69,-75.8 26.69,-74.74 26.93,-74.49 27.22,-74.49 27.32,-74.59 v13(27.32,-74.89)
CLKO+: length 7.9
  SIGNAL-L4 w0.1: v13(23.06,-79.4) 23.06,-79.11 23.21,-78.97 23.21,-78.62 23.06,-78.48 21.01,-78.48 20.79,-78.25 20.79,-77.52 21.02,-77.29 23.99,-77.29 24.31,-76.97 v13(24.31,-76.91)
CLKO-: length 7.6
  SIGNAL-L4 w0.1: v13(24.31,-77.89) 24.31,-77.82 23.99,-77.5 21.11,-77.5 21,-77.61 21,-78.17 21.1,-78.27 23.15,-78.27 23.41,-78.53 23.41,-78.97 23.56,-79.11 v13(23.56,-79.4)
CONF_DONE: length 40
  SIGNAL-L8 w0.1: v10(23.32,-57.89) 24.9,-57.89 26.76,-59.75 28.35,-59.75 30,-61.41 30,-66.91 31.09,-68.01 35.12,-68.01 37.69,-70.57 37.69,-76.75 36.09,-78.34 v14(35.45,-78.34)
  BOTTOM w0.15: R375.1 33.37,-83.14 33.92,-82.58 33.92,-78.92 34.49,-78.34 v14(35.45,-78.34)
  BOTTOM w0.5: TP26.1 R375.1
CPU_RST_MCU: length 33.8
  SIGNAL-L4 w0.1: v11(68.83,-48.27) 68.09,-47.53 68.09,-46.31 67.1,-45.31 64.2,-45.31 62.27,-43.39 62.27,-42.41 61.61,-41.74 59.33,-41.74 58.77,-41.18 56.67,-41.18 56.01,-40.53 56.01,-40.02 55.38,-39.38 55.38,-36.69 56.05,-36.02 v21(56.05,-35.57)
  SIGNAL-L8 w0.1: v21(56.05,-35.57) 55.17,-35.57 54.93,-35.33 54.93,-33.66 56.38,-32.22 59.68,-32.22 59.94,-32.48 61.6,-32.48 v10(62.12,-33)
CPU_UART3_RXD: length 23
  SIGNAL-L8 w0.1: v10(65.32,-33.8) 67.09,-35.57 67.09,-38.3 65.39,-40 64.33,-40 62.72,-41.61 62.72,-46.64 61.64,-47.72 56.98,-47.72 v17(56.45,-48.26)
CPU_UART3_TXD: length 22.3
  SIGNAL-L8 w0.1: v10(65.32,-34.6) 66.53,-35.81 66.53,-37.94 65.08,-39.39 64.05,-39.39 62.36,-41.08 62.36,-46.24 61.16,-47.44 56.21,-47.44 v6(55.39,-48.27)
CPU_UART4_RXD: length 26.6
  SIGNAL-L7 w0.1: v16(66.12,-33.8) 66.12,-33.09 65.72,-32.69 65.25,-32.69 64.91,-32.35 64.91,-31.87 64.53,-31.49 64.53,-30.8 64.31,-30.59 63.69,-30.59 61.6,-32.68 61.6,-34.18 61.87,-34.45 61.87,-35.12 62.5,-35.75 62.5,-45.78 61.06,-47.23 59.28,-47.23 v23(58.26,-48.26)
CPU_UART4_TXD: length 35.9
  SIGNAL-L7 w0.1: v16(66.12,-34.6) 66.85,-33.87 66.85,-31.1 66.13,-30.38 66.13,-29.86 65.28,-29.02 63.8,-29.02 63.52,-29.3 61.73,-29.3 59.73,-31.3 59.73,-33 59.3,-33.43 58.66,-33.43 58.17,-33.93 58.17,-41.99 57.18,-42.98 54.7,-42.98 49.8,-47.88 v23(49.8,-48.26)
DATA0: length 38.4
  SIGNAL-L4 w0.1: v13(29.05,-79.73) 29.63,-79.15 32.89,-79.15 33.46,-79.72 35.16,-79.72 36.17,-78.71 36.17,-76.74 35.77,-76.34 v21(35.45,-76.34) 33.98,-74.88 33.98,-72.21 33.15,-71.37 21.22,-71.37 20.64,-71.95 20.64,-74.21 v13(21.32,-74.89)
  BOTTOM w0.2: v21(35.45,-76.34) 36.42,-76.34 38.2,-78.13 TP21.1
